# Altium PCB RPS_ARMOR_PCB_2022_V1.0.PcbDoc
Units mil, origin at the board's own origin, x right, y up, seen from the top; angles counter-clockwise.
Board outline 2755.91 x 3543.31 mil, 2 copper layers (Top Layer, Bottom Layer); 154 components, 76 nets, 437 pads, 347 vias.
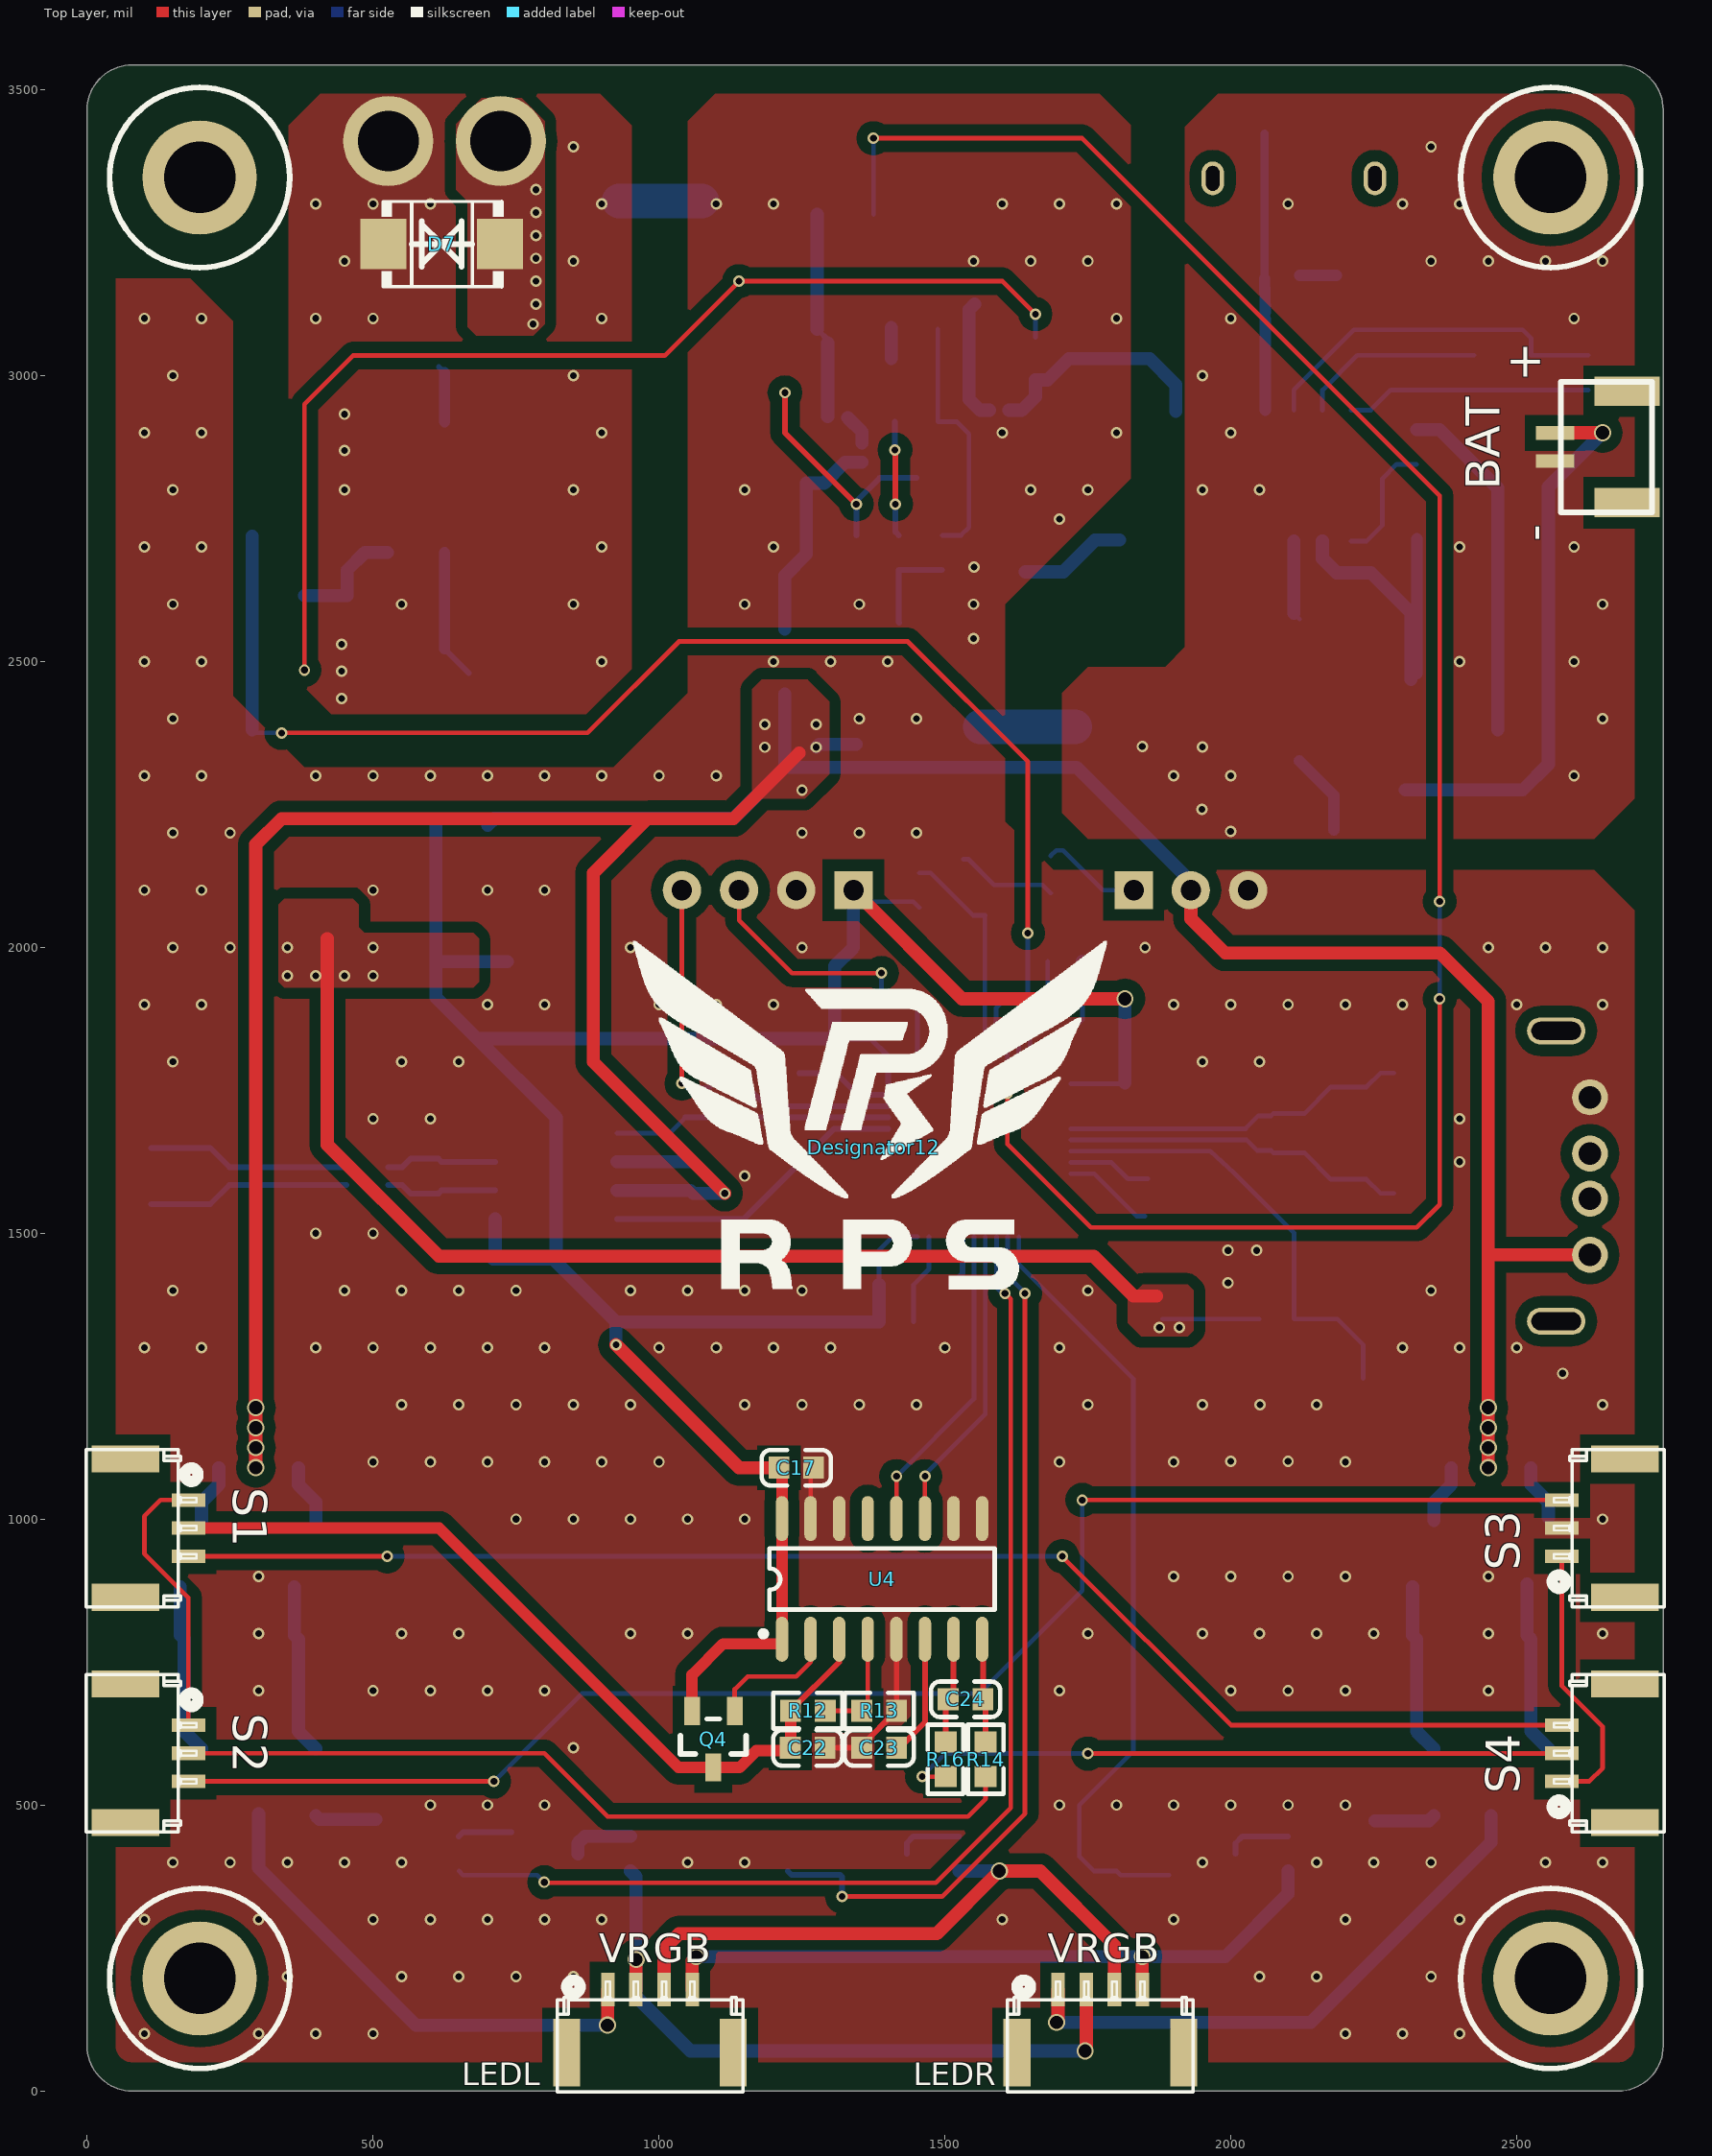
[diagram p0: Top Layer view]
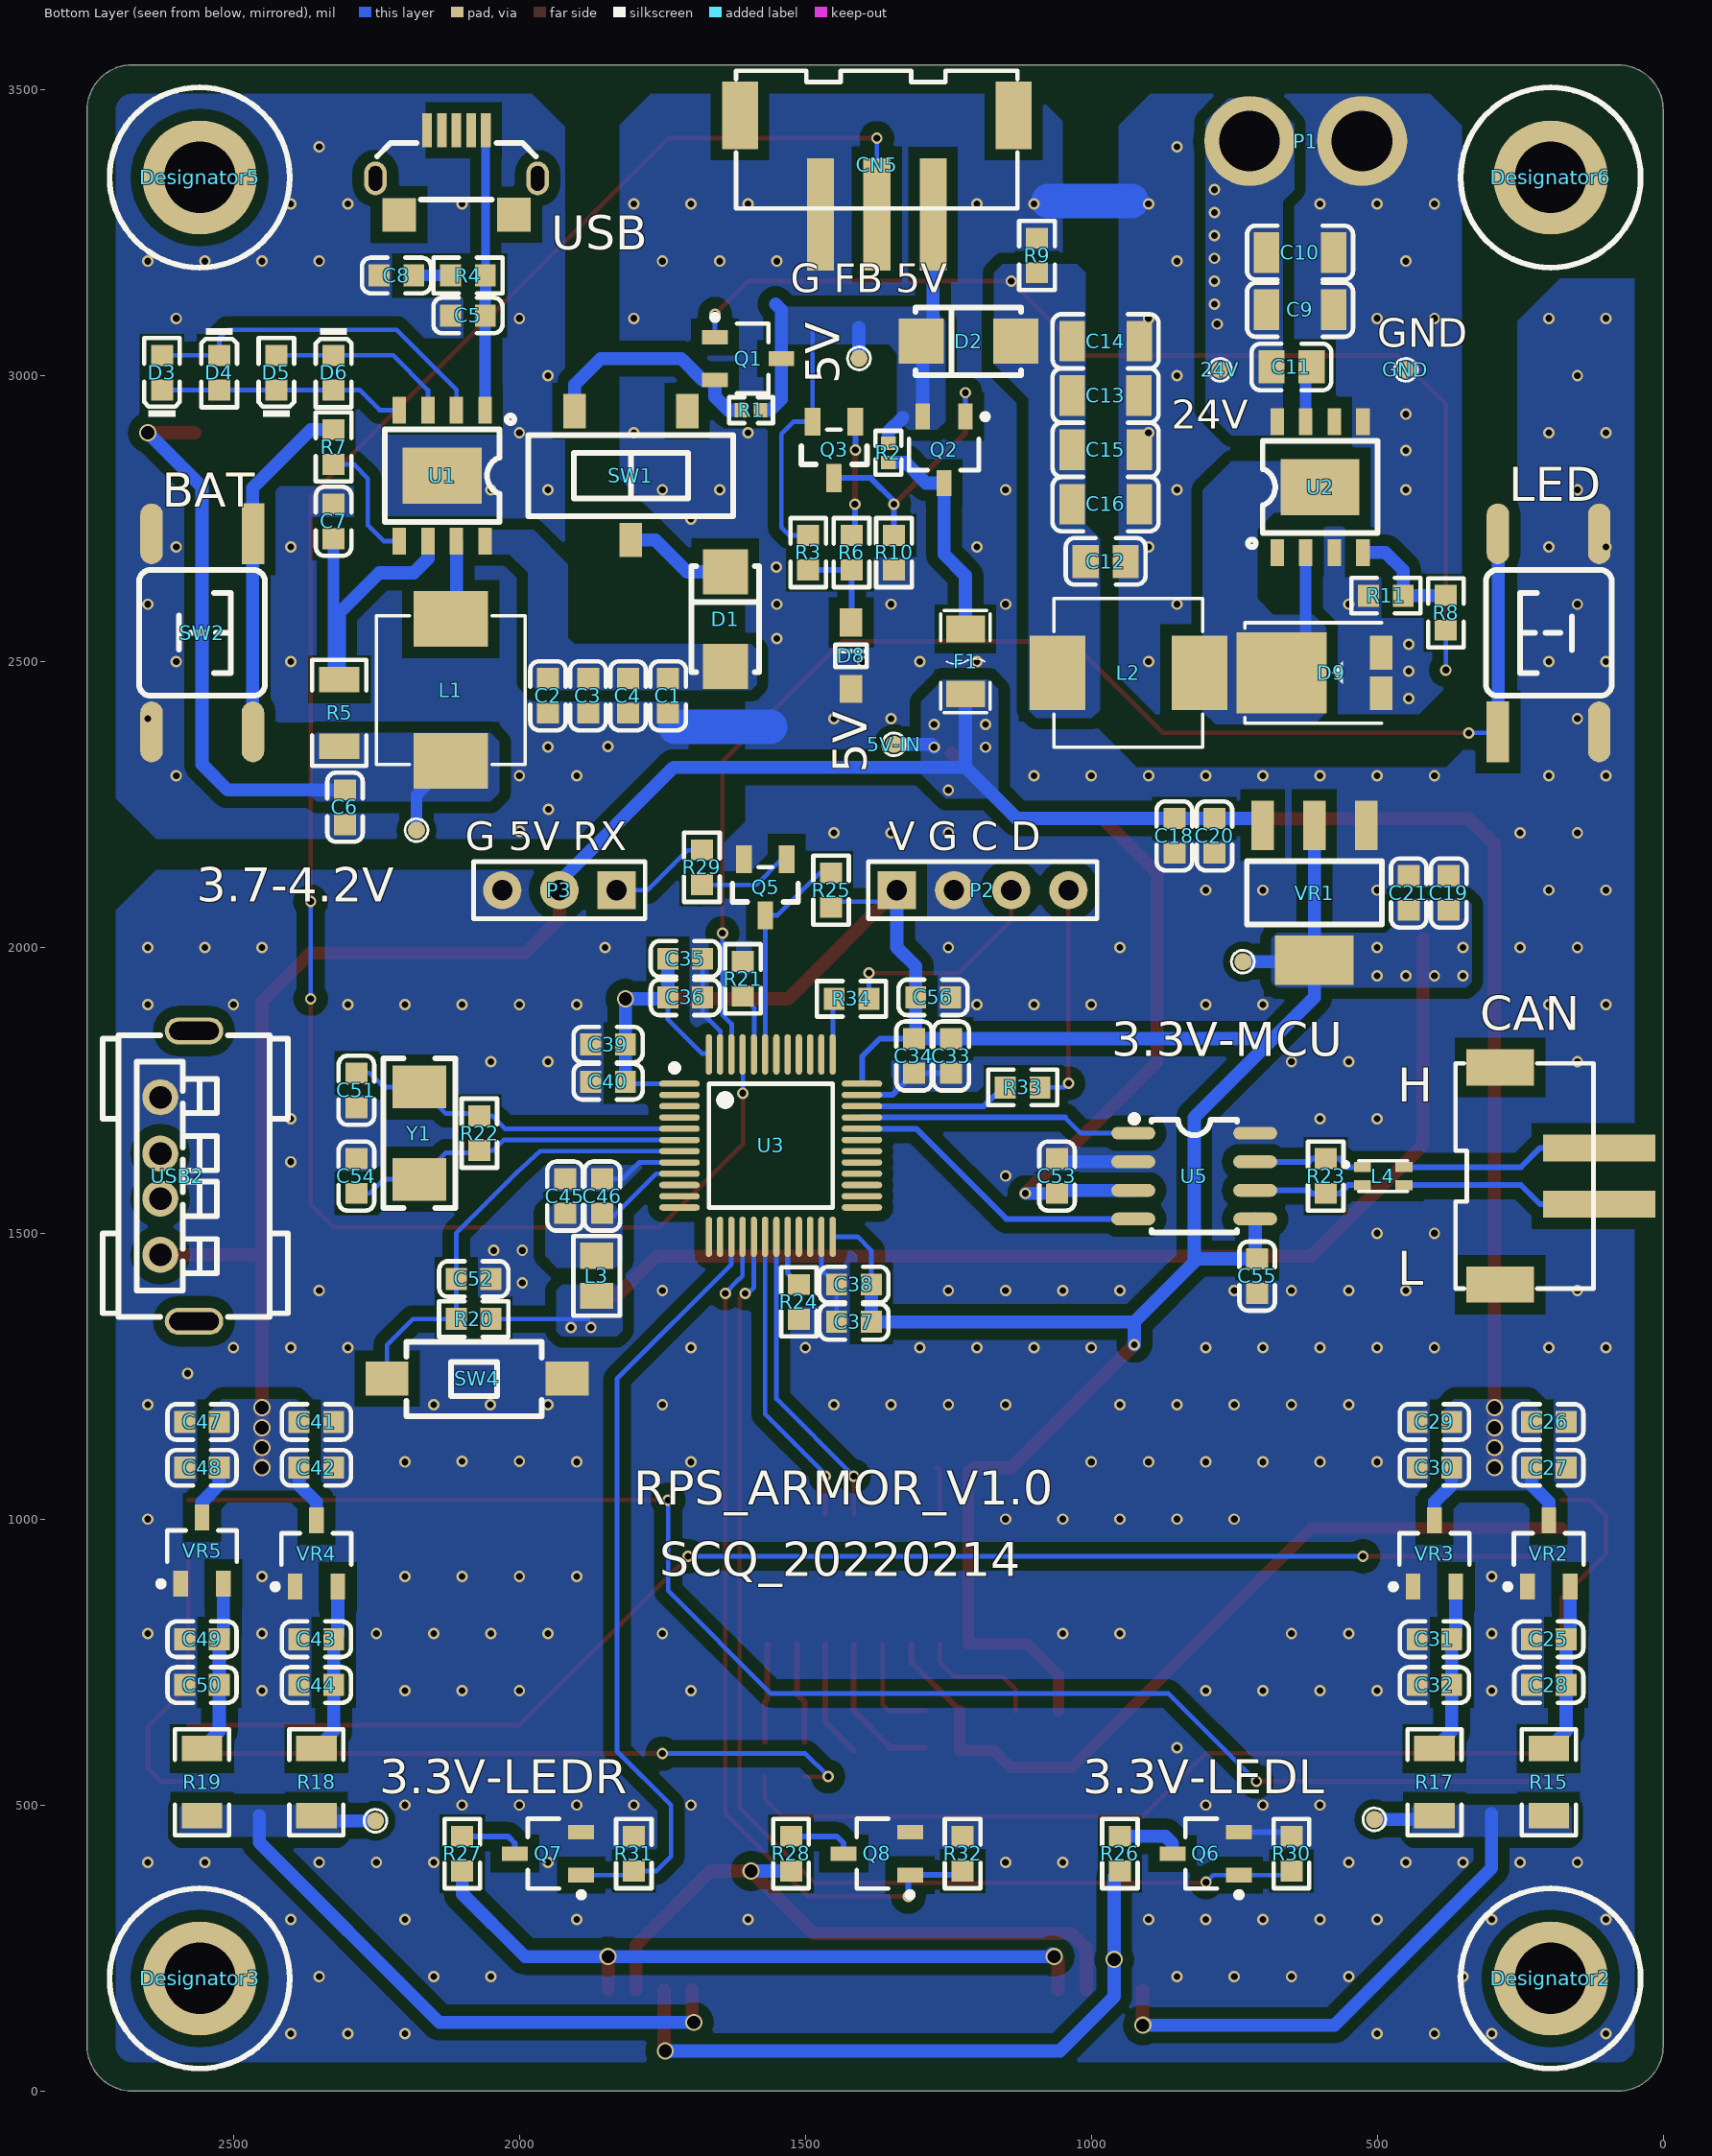
[diagram p1: Bottom Layer view, seen from below]

## Layer stack, top to bottom
Top Solder: solder mask 0.4, Solder Resist, Dk 3.5
Top Layer: signal copper 1.4
Dielectric 1: dielectric 12.6, FR-4, Dk 4.8
Bottom Layer: signal copper 1.4
Bottom Solder: solder mask 0.4, Solder Resist, Dk 3.5

## Board outline
0,78.74 0,3464.57 cw(c78.74,3464.57) 78.74,3543.31 2677.17,3543.31 cw(c2677.17,3464.57) 2755.91,3464.57 2755.91,78.74 cw(c2677.17,78.74) 2677.17,0 78.74,0 cw(c78.74,78.74)

## Design rules (kind name [scope] priority, off if disabled: settings)
BoardOutlineClearance [All] p1: gap=10 ignorepadtopadclearanceinfootprint=FALSE except(0: Arc-SplitContinuation Track-SplitContinuation SMDPad-SplitContinuation THPad-SplitContinuation Via-SplitContinuation Fill-SplitContinuation Region-SplitContinuation Text-SplitContinuation; 50: Poly-OutlineEdge Poly-CavityEdge Poly-CutoutEdge Poly-SplitBarrior Poly-SplitContinuation)
Clearance [All] p1: gap=10 ignorepadtopadclearanceinfootprint=TRUE except(0: Arc-Hole Track-Track Track-Hole SMDPad-Hole THPad-Hole Via-Hole Fill-Hole Poly-Hole Region-Hole Text-Hole; 5: Arc-Arc Track-SMDPad; 20: Arc-Poly Track-Poly SMDPad-Poly THPad-Poly Via-Poly Fill-Poly Poly-Poly)
ComponentClearance [All] p1: gap=0 collisioncheckmode=3 verticalgap=0 showdistances=TRUE
DiffPairsRouting [All] p1: maxlimit=50 minlimit=5 mostfreqgap=8 toplayer_minwidth=8 toplayer_maxwidth=15 toplayer_prefwidth=8 bottomlayer_minwidth=8 bottomlayer_maxwidth=15 bottomlayer_prefwidth=8 maxuncoupledlength=500
MatchedLengths DiffPair_MatchedLengths [InDifferentialPair ('CAN-DIFF')] p1: tolerance=10 checknetsindiffpair=FALSE checkdiffpairvsdiffpair=TRUE checkxsignals=TRUE checkothers=TRUE
PolygonConnect [All] p1: connectstyle=Direct reliefconductorwidth=10 reliefentries=4 polygonreliefangle="90 Angle" airgapwidth=10
RoutingVias [All] p1: holewidth=28 width=50 viastyle="Through Hole" minholewidth=28 minwidth=50 maxholewidth=28 maxwidth=50
SolderMaskExpansion [All] p1: expansion=4
Width [All] p1: maxlimit=100 minlimit=5 preferedwidth=8 minimp=50.000000 maximp=50.000000 favimp=50.000000
28 further rules are at their usual default settings.

## Classes and differential pairs
differential pair NetL4: +NetL4_1 -NetL4_2
differential pair CAN-DIFF: +CAN-DIFF_P -CAN-DIFF_N

## Components (designator, comment, footprint, x,y, rotation, side; value= is the part's Value field where it differs from the comment)
3.3V-LEDL "TP" TP 505,475 r90 bottom
3.3V-LEDR "TP" TP 2251.73,472.5 r90 bottom
3.3V-MCU "TP" TP 735,1975 r90 bottom
3.7-4.2V "TP" TP 2180,2205 r90 bottom
5V "TP" TP 1406.3,3030 r90 bottom
5V-IN "TP" TP 1345,2355 r180 bottom
24V "TP" TP 775,3010 r180 bottom
BAT "GH1.25-2P" GH1.25-WS-2P 2630,2875 r90 top
C1 "22uF 20% 6.3V" 0603_C 1740,2440 r270 bottom
C2 "22uF 20% 6.3V" 0603_C 1950,2440 r270 bottom
C3 "22uF 20% 6.3V" 0603_C 1880,2440 r270 bottom
C4 "22uF 20% 6.3V" 0603_C 1810,2440 r270 bottom
C5 "10uF 10% 10V" 0603_C 2090,3105 r180 bottom
C6 "22uF 20% 6.3V" 0603_C 2305,2245 r90 bottom
C7 "22uF 20% 6.3V" 0603_C 2325,2745 r270 bottom
C8 "10uF 10% 10V" 0603_C 2215,3175 r180 bottom
C9 "22uF 20% 35V" 1206_C 635,3115 r0 bottom
C10 "22uF 20% 35V" 1206_C 635,3215 r0 bottom
C11 "1uF 20% 50V" 0805_C 650,3015 r0 bottom
C12 "1uF 20% 50V" 0805_C 975,2675 r0 bottom
C13 "22uF 20% 35V" 1206_C 975.15,2965 r0 bottom
C14 "22uF 20% 35V" 1206_C 975,3060 r0 bottom
C15 "22uF 20% 35V" 1206_C 975,2870.04 r0 bottom
C16 "22uF 20% 35V" 1206_C 975,2775 r0 bottom
C17 "10uF 10% 10V" 0603_C 1240,1090 r180 top
C18 "22uF 20% 6.3V" 0603_C 854.68,2195 r90 bottom
C19 "22uF 20% 6.3V" 0603_C 375,2095 r270 bottom
C20 "100nF 10% 50V" 0603_C 784.68,2195 r90 bottom
C21 "100nF 10% 50V" 0603_C 445,2095 r270 bottom
C22 "10uF 10% 10V" 0603_C 1260,600 r180 top
C23 "100nF 10% 50V" 0603_C 1385,600 r0 top
C24 "100nF 10% 50V" 0603_C 1536.1,685 r0 top
C25 "22uF 20% 6.3V" 0603_C 200,790 r180 bottom
C26 "22uF 20% 6.3V" 0603_C 200,1170 r0 bottom
C27 "100nF 10% 50V" 0603_C 200,1090 r0 bottom
C28 "100nF 10% 50V" 0603_C 200,710 r180 bottom
C29 "22uF 20% 6.3V" 0603_C 400,1170 r180 bottom
C30 "100nF 10% 50V" 0603_C 400,1090 r180 bottom
C31 "22uF 20% 6.3V" 0603_C 400,790 r180 bottom
C32 "100nF 10% 50V" 0603_C 400,710 r180 bottom
C33 "1uF" 0603_C 1245,1810 r90 bottom
C34 "10nF" 0603_C 1310,1810 r90 bottom
C35 "1uF" 0603_C 1710,1980 r0 bottom
C36 "10nF" 0603_C 1710,1912.5 r0 bottom
C37 "1uF" 0603_C 1415,1345 r180 bottom
C38 "10nF" 0603_C 1415,1410.31 r180 bottom
C39 "1uF" 0603_C 1845,1830 r180 bottom
C40 "10nF" 0603_C 1845,1765 r180 bottom
C41 "22uF 20% 6.3V" 0603_C 2355,1170 r0 bottom
C42 "100nF 10% 50V" 0603_C 2355,1090 r0 bottom
C43 "22uF 20% 6.3V" 0603_C 2355,790 r180 bottom
C44 "100nF 10% 50V" 0603_C 2355,710 r180 bottom
C45 "1uF" 0603_C 1920,1565 r270 bottom
C46 "10nF" 0603_C 1855,1565 r270 bottom
C47 "22uF 20% 6.3V" 0603_C 2555,1170 r180 bottom
C48 "100nF 10% 50V" 0603_C 2555,1090 r180 bottom
C49 "22uF 20% 6.3V" 0603_C 2555,790 r180 bottom
C50 "100nF 10% 50V" 0603_C 2555,710 r180 bottom
C51 "20pF 5% 50V" 0603_C 2285,1750 r270 bottom
C52 "100nF 10% 50V" 0603_C 2080,1420 r180 bottom
C53 "100nF 10% 50V" 0603_C 1060,1600 r90 bottom
C54 "20pF 5% 50V" 0603_C 2285,1600 r90 bottom
C55 "100nF 10% 50V" 0603_C 710,1425 r90 bottom
C56 "100nF 10% 50V" 0603_C 1276.57,1912.5 r180 bottom
CAN "XH2.54-2P" XH2.54-LS-2P 245,1600 r90 bottom
CN5 "XH2.54-3P" XH2.54-LS-3P 1375,3415 r180 bottom
D1 "SS54" SMA(DO-214AC)_S1 1640,2574.13 r270 bottom
D2 "SS54" SMA(DO-214AC)_S1 1215,3060 r180 bottom
D3 "蓝灯" 0603_LED_S1 2625,3005 r90 bottom
D4 "蓝灯" 0603_LED_S1 2525,3005 r270 bottom
D5 "蓝灯" 0603_LED_S1 2425,3005 r90 bottom
D6 "蓝灯" 0603_LED_S1 2325,3005 r270 bottom
D7 "SMBJ30CA" SMB_L4.6-W3.6-LS5.3-BI 620,3230 r0 top
D8 "BZT52C6V2" SOD-123 1420,2510 r270 bottom
D9 "SB1045L" TO-277A_L4.7-W6.1-LS6.6-TR 580,2480 r180 bottom
Designator2 "Comment" M3x4_L 196.85,196.85 r180 bottom
Designator3 "Comment" M3x4_L 2559.06,196.85 r180 bottom
Designator5 "Comment" M3x4_L 2559.06,3346.46 r180 bottom
Designator6 "Comment" M3x4_L 196.85,3346.46 r180 bottom
Designator12 "Comment" RPS 1375,1650 r0 top
F1 "FSMD1206-100-13.2V" F1206 1220,2500 r270 bottom
GND "TP" TP 450,3010 r180 bottom
L1 "1uH" IND-SMD_L7.1-W6.6 2120,2450 r90 bottom
L2 "47uH ±10%  2A" IND-SMD_L7.1-W6.6 935,2480 r180 bottom
L3 "1uH ±10%" 0805_L 1865,1425.58 r90 bottom
L4 "90Ω" FILTER-SMD_4P-L2.0-W1.2-BL 489.75,1600 r270 bottom
LED "TS-1102S-C-K-B" "TSW SMD-6*6*8" 200,2550 r90 bottom
LEDL "GH1.25-4P" GH1.25-WS-4P 984.25,78.74 r180 top
LEDR "GH1.25-4P" GH1.25-WS-4P 1771.65,78.74 r180 top
P1 "XT30/XT60" XT30UPB-M 625,3410 r180 bottom
P2 "Header 4" HDR2.54-LI-4P 1190,2100 r180 bottom
P3 "Header 3" HDR2.54-LI-3P 1930,2100 r0 bottom
Q1 "AO3401A P道沟 X13A15 SOT-23" SOT-23-3L 1600,3029.69 r0 bottom
Q2 "AO3401A P道沟 X13A15 SOT-23" SOT-23-3L 1257.6,2870.04 r90 bottom
Q3 "MMBT3906" SOT-23(SOT-23-3) 1450,2870 r90 bottom
Q4 "SS8550" SOT-23(SOT-23-3) 1095,615 r90 top
Q5 "MMBT3904" SOT-23(SOT-23-3) 1570,2105 r90 bottom
Q6 "AO3400A" SOT-23-3L 800,415 r180 bottom
Q7 "AO3400A" SOT-23-3L 1950,415 r180 bottom
Q8 "AO3400A" SOT-23-3L 1375,415 r180 bottom
R1 "0Ω ±1%" 0402_R 1595,2939.5 r180 bottom
R2 "0Ω ±1%" 0402_R 1355,2865 r270 bottom
R3 "47KΩ ±1%" 0603_R 1495,2690.32 r90 bottom
R4 "2Ω ±10%" 0603_R 2090,3175 r180 bottom
R5 "0.5Ω ±1%" 1206_R 2315,2410 r270 bottom
R6 "4.7KΩ ±1%" 0603_R 1419.21,2690.32 r90 bottom
R7 "10KΩ ±1%" 0603_R 2325,2875 r270 bottom
R8 "10KΩ ±1%" 0603_R 380,2585 r270 bottom
R9 "100KΩ ±1%" 0603_R 1095,3210 r270 bottom
R10 "100KΩ ±1%" 0603_R 1345,2690.32 r90 bottom
R11 "3.3KΩ ±1%" 0603_R 485,2615 r180 bottom
R12 "20KΩ ±1%" 0603_R 1260.32,665 r180 top
R13 "8.2KΩ ±1%" 0603_R 1385,665 r0 top
R14 "100Ω ±1%" 0603_R 1571.1,580 r270 top
R15 "0.1Ω ±1%" 1206_R 200,540 r270 bottom
R16 "100Ω ±1%" 0603_R 1501.1,580 r270 top
R17 "0.1Ω ±1%" 1206_R 400,540 r270 bottom
R18 "0.1Ω ±1%" 1206_R 2355,540 r270 bottom
R19 "0.1Ω ±1%" 1206_R 2555,540 r270 bottom
R20 "10KΩ ±1%" 0603_R 2080,1350 r180 bottom
R21 "10KΩ ±1%" 0603_R 1609.21,1945 r90 bottom
R22 "1MΩ (1004) ±1%" 0603_R 2070,1675 r90 bottom
R23 "120Ω ±1%" 0603_R 590,1600 r90 bottom
R24 "10KΩ ±1%" 0603_R 1511.34,1380 r270 bottom
R25 "4.7KΩ ±1%" 0603_R 1455,2100 r90 bottom
R26 "0Ω ±1%" 0603_R 950,415 r270 bottom
R27 "10Ω ±1%" 0603_R 2100,415 r270 bottom
R28 "33Ω ±1%" 0603_R 1525,415 r270 bottom
R29 "4.7KΩ ±1%" 0603_R 1680.95,2140 r270 bottom
R30 "100KΩ ±1%" 0603_R 650,415 r270 bottom
R31 "100KΩ ±1%" 0603_R 1800,415 r270 bottom
R32 "100KΩ ±1%" 0603_R 1225,415 r270 bottom
R33 "100Ω ±1%" 0603_R 1120,1755 r0 bottom
R34 "100Ω ±1%" 0603_R 1419.21,1910 r0 bottom
S1 "GH1.25-3P" GH1.25-WS-3P 78.74,984.25 r90 top
S2 "GH1.25-3P" GH1.25-WS-3P 78.74,590.55 r90 top
S3 "GH1.25-3P" GH1.25-WS-3P 2677.17,984.25 r270 top
S4 "GH1.25-3P" GH1.25-WS-3P 2677.17,590.55 r270 top
SW1 "22D18G2 3J" SW-SMD_MST-22D18G23J 1805,2825 r0 bottom
SW2 "TS-1102S-C-K-B" "TSW SMD-6*6*8" 2555,2550 r270 bottom
SW4 "TS-1101-C-W" SW-SMD_L6.0-W3.3-LS8.0 2074,1245.71 r180 bottom
U1 "IP5306" ESOP-8_L4.9-W3.9-P1.27-LS6.0-BL-EP 2135,2825 r0 bottom
U2 "ME3148ASPG" ESOP-8_L4.9-W3.9-P1.27-LS6.0-BL-EP 600,2805 r180 bottom
U3 "STM32F103C8T6" LQFP-48_7x7x05P 1560.55,1653.27 r270 bottom locked
U4 "HX711" SOP16 1390,895 r90 top
U5 "TJA1050T" SOIC-8_L5.0-W4.0-P1.27-LS6.0-BL 820,1600 r270 bottom
USB "MICRO-21-P2-T3" MICRO-USB-SMD_LI 2110,3355 r0 bottom
USB2 "A/F_C109357" USB-A-TH_USB-A-F-1 2598.43,1600 r90 bottom
VR1 "AMS1117-3.3" SOT-223 610,2095.31 r90 bottom
VR2 "XC6206P332MR" SOT-23-3L 200,940 r270 bottom
VR3 "XC6206P332MR" SOT-23-3L 400,940 r270 bottom
VR4 "XC6206P332MR" SOT-23-3L 2355,940 r270 bottom
VR5 "XC6206P332MR" SOT-23-3L 2555,945 r270 bottom
Y1 "8MHz ±20ppm 20pF" SMD-5032_2P 2175,1675 r90 bottom

## Footprints (in the part's own frame and the unit in brackets; to place one, negate y for a bottom-side part, rotate by r counter-clockwise, add the part's x,y. Pads: shape width x height; smd on the part's side, far side on the other; paste and mask are expansions set on the pad)
0402_R [mm]
  rect 0.6x0.65 smd mask+0.051: 1(-0.425,0) 2(0.425,0)
  silkscreen extent -0.98,-0.58 0.98,0.58, body extent -0.58,-0.27 0.58,0.28, height 0.41
0603_C [mm]
  rect 0.93x0.98 smd: 1(-0.77,0) 2(0.77,0)
  silkscreen extent -1.54,-0.79 1.54,0.79, body extent -0.8,-0.4 0.8,0.4, height 0.3
0603_LED_S1 [mm]
  rect 0.93x0.98 smd: A(0.77,0) K(-0.77,0)
  silkscreen extent -1.98,-0.79 1.54,0.79, body extent -0.8,-0.4 0.8,0.4, height 0.6
0603_R [mm]
  rect 0.93x0.98 smd: 1(-0.77,0) 2(0.77,0)
  silkscreen extent -1.53,-0.79 1.53,0.79, body extent -0.85,-0.4 0.85,0.4, height 0.56
0805_C [mm]
  rect 1.16x1.47 smd: 1(-0.89,0) 2(0.89,0)
  silkscreen extent -1.77,-1.04 1.77,1.04, body extent -1,-0.63 1,0.63, height 0.77
0805_L [mm]
  rect 1.16x1.47 smd: 1(-0.89,0) 2(0.89,0)
  silkscreen extent -1.77,-1.03 1.77,1.03, body extent -1,-0.64 1,0.64, height 0.6
1206_C [mm]
  rect 1.13x1.8 smd: 1(-1.49,0) 2(1.49,0)
  silkscreen extent -2.36,-1.2 2.35,1.2, body extent -1.6,-0.81 1.6,0.79, height 1
1206_R [mm]
  rect 1.13x1.8 smd: 1(-1.49,0) 2(1.49,0)
  silkscreen extent -2.35,-1.2 2.35,1.2, body extent -1.7,-0.86 1.65,0.87, height 0.85
ESOP-8_L4.9-W3.9-P1.27-LS6.0-BL-EP [mm]
  rect 0.6x1.2 smd: 1(-1.905,-2.908) 2(-0.635,-2.908) 3(0.635,-2.908) 4(1.905,-2.908) 5(1.905,2.908) 6(0.635,2.908) 7(-0.635,2.908) 8(-1.905,2.908)
  rect 3.5x2.5 smd: 9(0,0)
  silkscreen extent -3.2,-2.67 2.55,2.05
F1206 [mil]
  rect 46.85x68.03 smd: 1(-56.89,0) 2(56.89,0)
  silkscreen extent -89,-43 89,43
FILTER-SMD_4P-L2.0-W1.2-BL [mm]
  rect 0.448x0.75 smd: 1(-0.4,-0.925) 2(0.4,-0.925) 3(0.4,0.925) 4(-0.4,0.925)
  silkscreen extent -0.68,-1.75 0.68,1.08
GH1.25-WS-2P [mm]
  rect 0.6x1.7 smd: 1(-0.625,1.6) 2(0.625,1.6)
  rect 1.3x2.9 smd: 3(2.475,-1.6) 4(-2.475,-1.6)
  silkscreen extent -2.9,-2.7 2.9,1.35, body extent -2.87,-2.67 2.87,2.18, height 4.25
GH1.25-WS-3P [mm] "A1257WR-S-3P"
  rect 1.2x3 smd: 0(-3.075,0.3) 0(3.075,0.3)
  rect 0.6x1.5 smd: 1(1.25,-2.5) 2(0,-2.5) 3(-1.25,-2.5)
  silkscreen extent -3.5,-2.93 3.5,2.05, body extent -3.5,-2.8 3.5,2.1, height 4.4
GH1.25-WS-4P [mm] "A1257WR-S-4P"
  rect 1.2x3 smd: 0(-3.7,0.3) 0(3.7,0.3)
  rect 0.6x1.5 smd: 1(1.875,-2.5) 2(0.625,-2.5) 3(-0.625,-2.5) 4(-1.875,-2.5)
  silkscreen extent -4.13,-2.93 4.13,2.05, body extent -4.12,-2.8 4.12,2.1, height 4.4
HDR2.54-LI-3P [mm] "排针，3脚"
  rect 1.7x1.7 hole 0.9: 1(-2.54,0)
  round 1.7 hole 0.9: 2(0,0) 3(2.54,0)
  silkscreen extent -3.81,-1.27 3.81,1.27, body extent -3.81,-1.27 3.81,1.27, height 8.5
HDR2.54-LI-4P [mm] "排针，4脚"
  rect 1.7x1.7 hole 0.9: 1(-3.81,0)
  round 1.7 hole 0.9: 2(-1.27,0) 3(1.27,0) 4(3.81,0)
  silkscreen extent -5.08,-1.27 5.08,1.27, body extent -5.08,-1.27 5.08,1.27, height 8.5
IND-SMD_L7.1-W6.6 [mm] "一体化成型电感"
  rect 2.474x3.32 smd: 1(3.153,0) 2(-3.153,0)
  silkscreen extent -3.3,-3.3 3.3,3.3
LQFP-48_7x7x05P [mm]
  oval 0.28x1.8 smd mask+0.051: 1(-2.75,-4.05) 2(-2.25,-4.05) 3(-1.75,-4.05) 4(-1.25,-4.05) 5(-0.75,-4.05) 6(-0.25,-4.05) 7(0.25,-4.05) 8(0.75,-4.05) 9(1.25,-4.05) 10(1.75,-4.05) 11(2.25,-4.05) 12(2.75,-4.05) 25(2.75,4.05) 26(2.25,4.05) 27(1.75,4.05) 28(1.25,4.05) 29(0.75,4.05) 30(0.25,4.05) 31(-0.25,4.05) 32(-0.75,4.05) 33(-1.25,4.05) 34(-1.75,4.05) 35(-2.25,4.05) 36(-2.75,4.05)
  oval 1.8x0.28 smd mask+0.051: 13(4.05,-2.75) 14(4.05,-2.25) 15(4.05,-1.75) 16(4.05,-1.25) 17(4.05,-0.75) 18(4.05,-0.25) 19(4.05,0.25) 20(4.05,0.75) 21(4.05,1.25) 22(4.05,1.75) 23(4.05,2.25) 24(4.05,2.75) 37(-4.05,2.75) 38(-4.05,2.25) 39(-4.05,1.75) 40(-4.05,1.25) 41(-4.05,0.75) 42(-4.05,0.25) 43(-4.05,-0.25) 44(-4.05,-0.75) 45(-4.05,-1.25) 46(-4.05,-1.75) 47(-4.05,-2.25) 48(-4.05,-2.75)
  silkscreen extent -3.6,-4.43 2.75,2.75, body extent -4.5,-4.5 4.5,4.5, height 1.6
M3x4_L [mil] "M3铜柱，长：4mm"
  round 200 hole 125: 1(0,0)
  silkscreen extent -157,-157 157,157, body extent -106,-93 106,93, height 159
MICRO-USB-SMD_LI [mm]
  rect 0.43x1.51 smd: 1(-1.3,-1.877) 2(-0.65,-1.877) 3(0,-1.877) 4(0.65,-1.877) 5(1.3,-1.877)
  oval 1x1.5 hole 0.61 slot 1.1 at 90 deg: 6(-3.6,0.258) 6(3.6,0.258)
  rect 1.5x1.5 smd: 6(-2.55,1.873) 6(2.55,1.878)
  silkscreen extent -3.52,-1.32 3.52,1.2
RPS [mil]
  silkscreen extent -420,-247 408,361
SMA(DO-214AC)_S1 [mm]
  rect 2x2 smd: 1(2.1,0) 2(-2.1,0)
  silkscreen extent -2.35,-1.5 2.35,1.5
SMB_L4.6-W3.6-LS5.3-BI [mil]
  rect 80.61x88.23 smd: 1(-102.02,0) 2(102.02,0)
  silkscreen extent -105,-75 108,75
SMD-5032_2P [mm]
  rect 1.9x2.4 smd: 1(-2.05,0) 2(2.05,0)
  silkscreen extent -3.33,-1.6 3.33,1.6
SOD-123 [mm]
  rect 1.25x1 smd: 1(1.475,0) 2(-1.475,0)
  silkscreen extent -0.5,-0.7 0.5,0.7, body extent -1.85,-0.77 1.85,0.78, height 1.35
SOIC-8_L5.0-W4.0-P1.27-LS6.0-BL [mil]
  oval 22.38x76.78 smd: 1(-75,-106.5) 2(-25,-106.5) 3(25,-106.5) 4(75,-106.5) 5(75,106.5) 6(25,106.5) 7(-25,106.5) 8(-75,106.5)
  silkscreen extent -106,-111 98,75
SOP16 [mm] "（蒜米工坊）"
  oval 2x0.55 smd: 1(-2.667,4.445) 2(-2.667,3.175) 3(-2.667,1.905) 4(-2.667,0.635) 5(-2.667,-0.635) 6(-2.667,-1.905) 7(-2.667,-3.175) 8(-2.667,-4.445) 9(2.692,-4.445) 10(2.692,-3.175) 11(2.692,-1.905) 12(2.692,-0.635) 13(2.692,0.635) 14(2.692,1.905) 15(2.692,3.175) 16(2.692,4.445)
  silkscreen extent -2.55,-5 1.37,5.39, body extent -2.92,-4.99 2.98,4.99, height 1.45
SOT-23(SOT-23-3) [mm]
  rect 1.25x0.7 smd: 1(1.25,-0.95) 2(1.25,0.95) 3(-1.25,0)
  silkscreen extent -0.65,-1.46 0.9,1.46, body extent -1.5,-1.5 1.5,1.5, height 1.3
SOT-23-3L [mm] "http://www.aosmd.com/res/packaging_information/SOT-23-3L.pdf"
  rect 1.15x0.65 smd: 1(1.475,-0.95) 2(1.475,0.95) 3(-1.475,0)
  silkscreen extent -0.9,-1.95 1.6,1.55, body extent -0.9,-1.55 0.9,1.55, height 1.25
SOT-223 [mm]
  rect 2.2x1 smd: 1(3,-2.3) 2(3,0) 3(3,2.3)
  rect 2.2x3.5 smd: 2(-3,0)
  silkscreen extent -1.4,-3 1.4,3, body extent -3.49,-3.24 3.49,3.24, height 1.64
SW-SMD_L6.0-W3.3-LS8.0 [mm]
  rect 1.9x1.5 smd: 1(-4,0) 2(4,0)
  silkscreen extent -3.14,-1.67 2.86,1.63
SW-SMD_MST-22D18G23J [mm]
  rect 1x1.525 smd: 1(-2.5,-2.863) 2(0,2.863) 3(2.5,-2.863)
  silkscreen extent -4.55,-1.8 4.55,1.8
TO-277A_L4.7-W6.1-LS6.6-TR [mm]
  rect 1x1.5 smd: 1(2.21,0.9) 2(2.21,-0.9)
  rect 4x3.6 smd: 3(-2.21,0)
  silkscreen extent -3.84,-2.23 2.22,2.23